# KiCad board MES Main Board.kicad_pcb (continued)
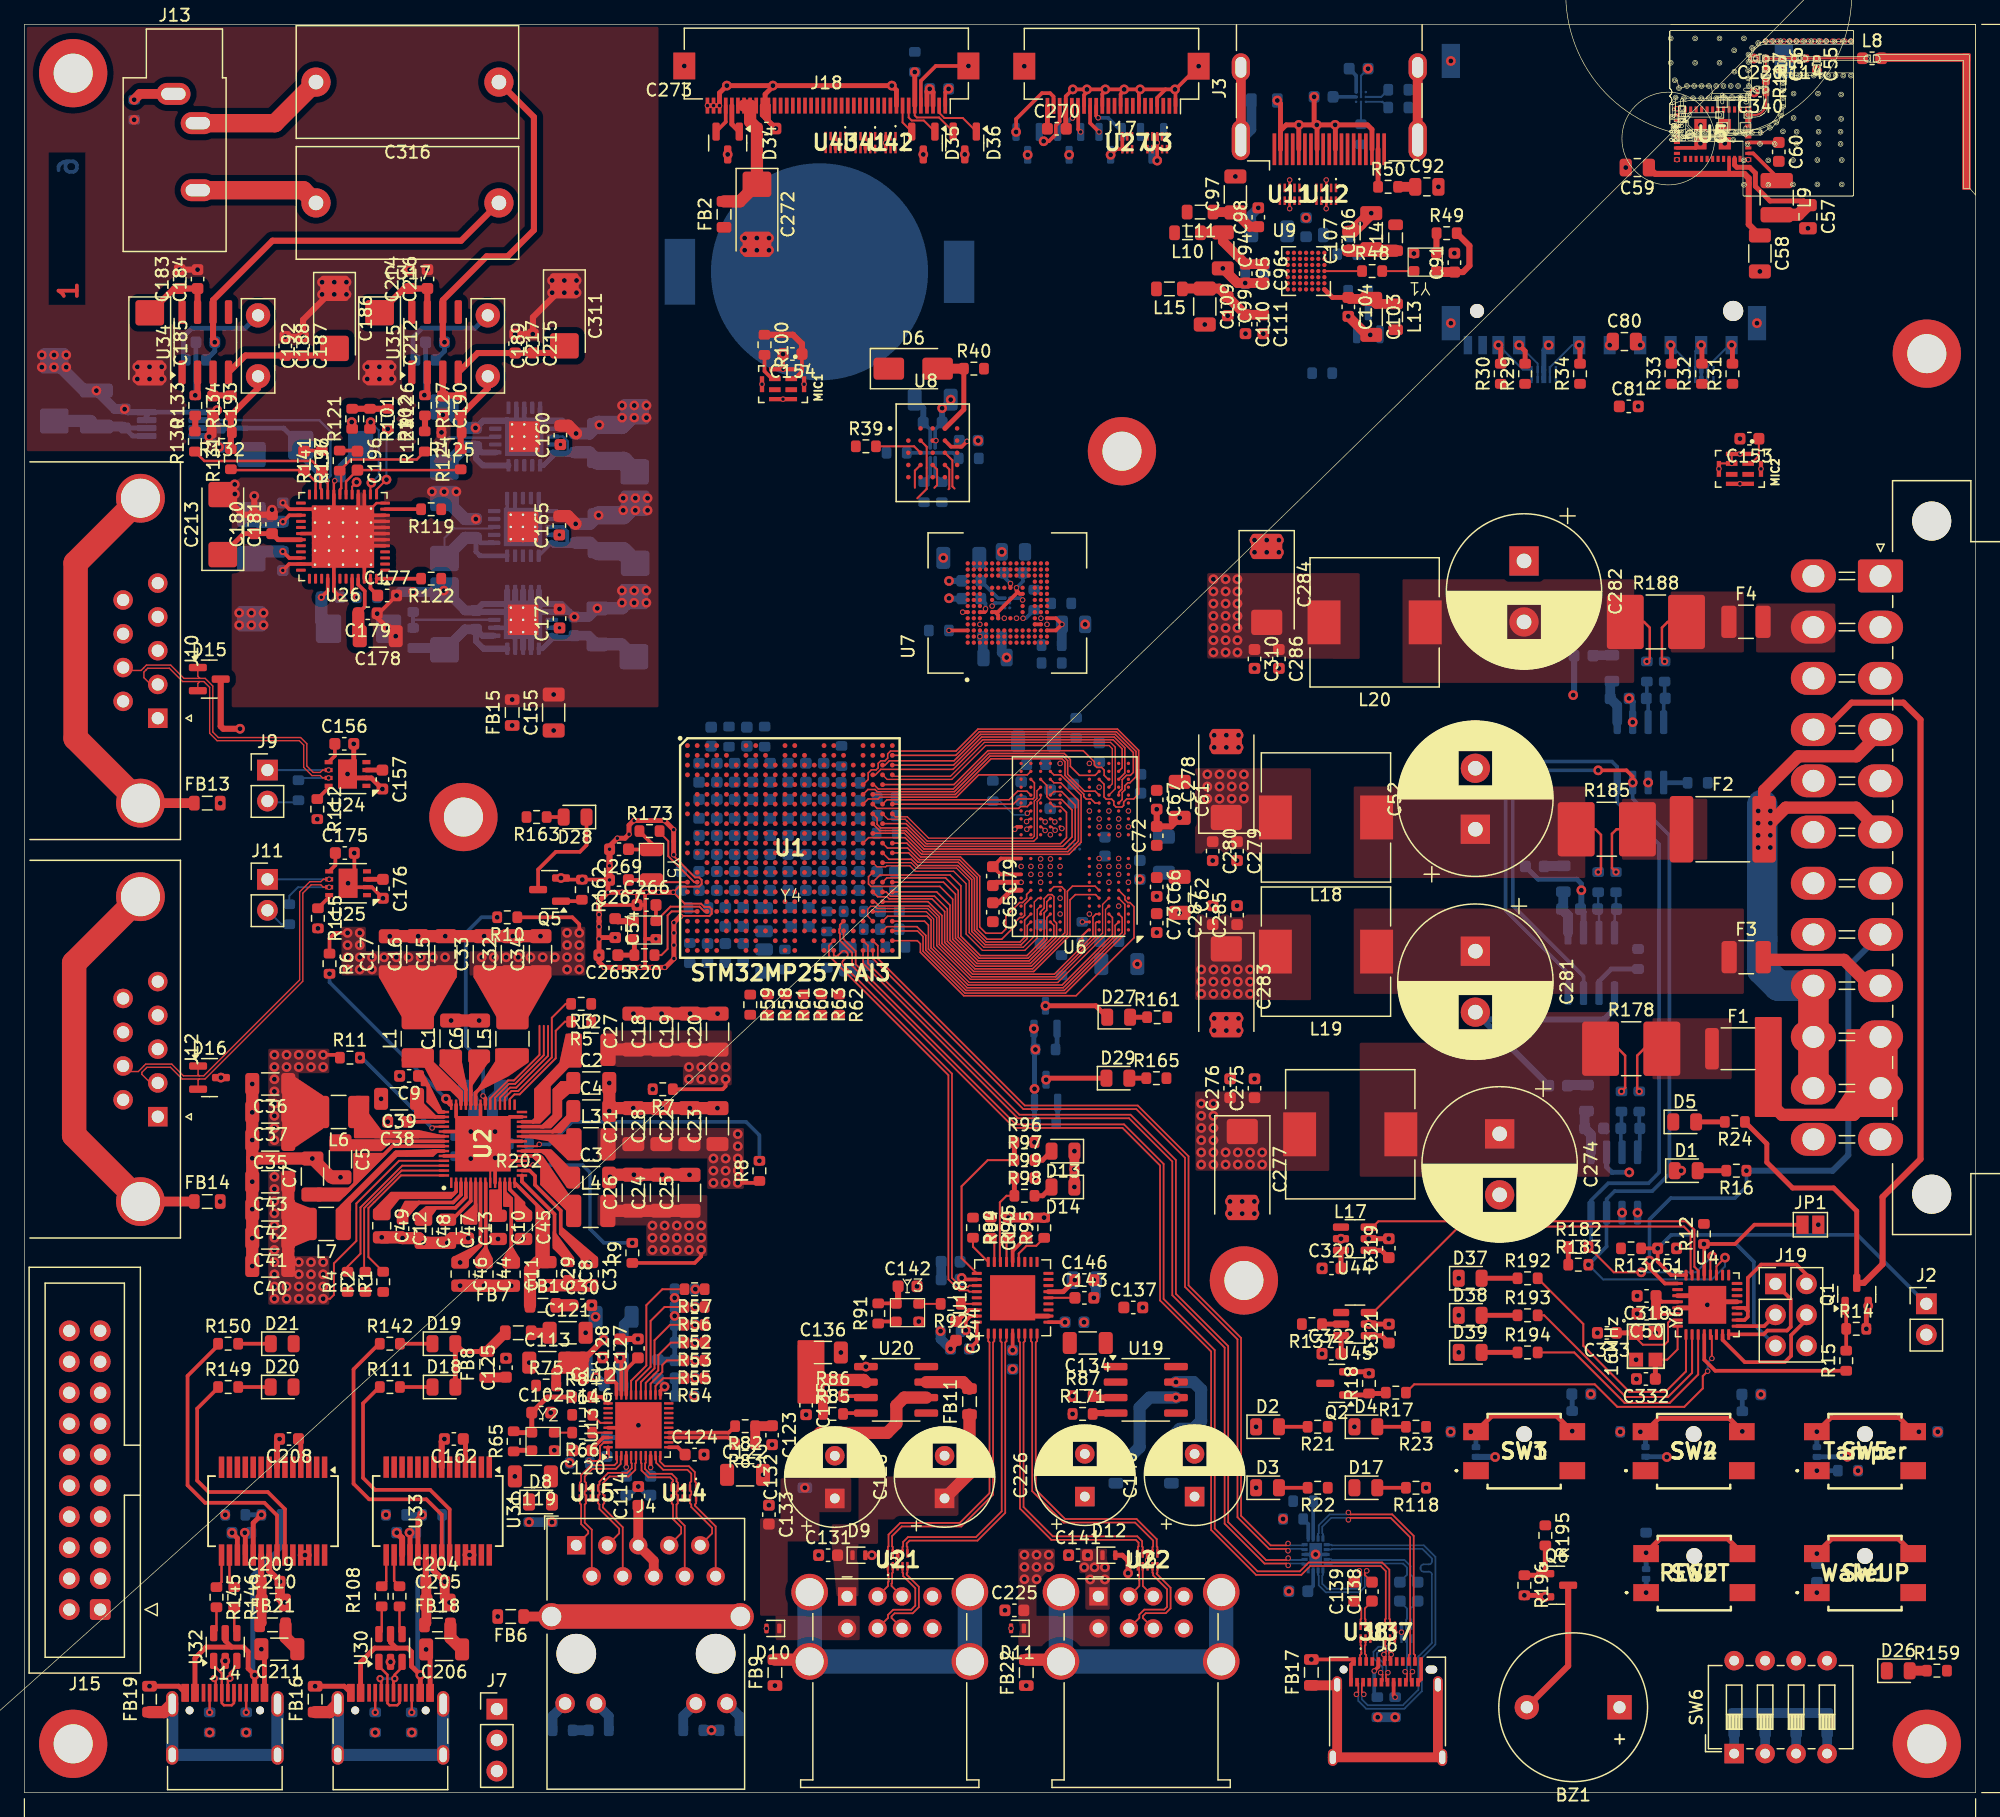
[diagram p0: board, top side]
## Routing (per net, layer and track width the routed paths; a pad name or vN(x,y) marks a point on that pad's centre or on a via; arc(x,y) is an arc through that point) (continued)
DDR_DQ13_A: length 23.5
  Top w0.127: 69.57,74.66 70.15,75.24 75.91,75.24 76.79,74.36 76.79,70.23 78.38,68.64 82.21,68.64 83.62,70.05 83.62,72.15 83.84,72.37 83.84,73.06 U6.E9
DDR_DQ13_B: length 23.2
  Top w0.127: 69.57,79.46 69.57,79.44 70.12,78.89 72.25,78.89 73.77,77.38 85.4,77.38 86.17,78.15 86.17,80.97 85.05,82.09 84.42,82.09 U6.V9
DDR_DQ14_A: length 21.4
  Top w0.127: U1.R21 70.72,75.01 75.54,75.01 76.58,73.97 76.58,70.14 78.29,68.42 82.3,68.42 83.84,69.96 83.84,71.76 U6.C9
DDR_DQ14_B: length 24.2
  Top w0.127: U6.Y9 84.42,82.81 84.98,82.81 86.43,81.36 86.43,78.02 85.57,77.16 73.67,77.16 72.16,78.67 69.58,78.67 69.57,78.66
DDR_DQ15_A: length 20.2
  Top w0.127: 71.17,74.66 75.36,74.66 76.35,73.67 76.35,70.06 78.2,68.21 82.39,68.21 84.42,70.23 84.42,71.11 U6.B9
DDR_DQ15_B: length 26.2
  Top w0.127: U6.AA9 84.42,83.46 84.98,83.46 86.65,81.79 86.65,77.93 85.66,76.94 73.58,76.94 72.22,78.31 69.22,78.31 U1.L19
DDR_DQMI0_A: length 26.2
  Top w0.127: U6.C3 89.22,71.76 89.22,70.35 85.1,66.23 77.38,66.23 74.35,69.26 74.35,71.55 74.03,71.87 70.78,71.87 U1.W21
DDR_DQMI0_B: length 21.1
  Top w0.127: U6.Y3 88.86,83.1 88.54,83.42 88.54,83.86 88.33,84.07 87.94,84.07 87.74,84.27 87.74,84.52 86.82,85.44 79,85.44 76.22,82.66 U1.E21
DDR_DQMI1_A: length 27.8
  Top w0.127: U6.C10 83.33,72.24 83.62,72.53 83.62,73.3 83.96,73.64 84.25,73.64 84.42,73.47 84.42,71.52 84.64,71.3 84.64,70.14 82.48,67.99 78.11,67.99 76.12,69.98 76.12,73.26 75.07,74.31 69.42,74.31 69.22,74.51 69.22,75.11 69.57,75.46
DDR_DQMI1_B: length 24.4
  Top w0.127: U6.Y10 83.84,82.59 83.84,81.68 84.08,81.44 85.05,81.44 85.91,80.58 85.91,78.37 85.14,77.6 73.86,77.6 72.34,79.11 70.21,79.11 69.92,79.4 69.92,79.91 69.57,80.26
DDR_DQS0_A_N: length 29
  Top w0.108: U6.E3 88.41,72.83 88.41,70.48 88.2,70.27 88.2,70.26 88.05,70.1 88.05,70.1 84.63,66.69 77.58,66.69 74.81,69.45 74.81,71.74 74.06,72.5 70.9,72.5 70.9,72.5 70.8,72.5 70.8,72.5 69.93,72.5 69.75,72.68 69.39,72.68 69.15,72.44 69.15,71.88 69.57,71.46
DDR_DQS0_A_P: length 26.9
  Top w0.108: U6.D3 88.65,72.42 88.65,70.34 84.74,66.43 77.47,66.43 74.56,69.35 74.56,71.64 73.95,72.24 70,72.24 69.59,72.24 69.57,72.26
DDR_DQS0_B_N: length 23.8
  Top w0.108: U6.V3 89.45,82.32 89.45,85.73 89.06,86.12 78.72,86.12 75.94,83.34 71.29,83.34 71.17,83.46
DDR_DQS0_B_P: length 23.6
  Top w0.108: U1.D21 70.74,83.09 76.05,83.09 78.83,85.87 88.95,85.87 89.21,85.61 89.21,82.73 U6.W3 88.98,82.45
DDR_DQS1_A_N: length 21.6
  Top w0.108: U1.N21 72.71,76.26 73.16,75.81 76.44,75.81 77.48,74.78 77.48,70.52 78.67,69.32 81.91,69.32 82.81,70.22 82.81,73.03 83.13,73.35 U6.E10
DDR_DQS1_A_P: length 22.1
  Top w0.108: U6.D10 83.05,72.42 83.05,70.08 82.04,69.07 78.56,69.07 77.22,70.41 77.22,74.53 76.2,75.55 73.05,75.55 72.6,76 70.71,76 70.63,75.92 69.91,75.92 69.57,76.26
DDR_DQS1_B_N: length 17.4
  Top w0.108: 70.39,80.28 U1.H21 70.81,79.82 72.23,79.82 72.38,79.67 72.39,79.67 74.03,78.02 82.77,78.02 83.05,78.3 83.05,81.26 83.33,81.54 U6.V10
  Top w0.127: 70.37,80.21 U1.H21
DDR_DQS1_B_P: length 16.8
  Top w0.108: 71.17,80.26 71.41,80.02 72.4,80.02 74.15,78.27 82.65,78.27 82.81,78.43 82.81,81.31 83.03,81.52 83.03,82.15 U6.W10
DDR_RESETN: length 4
  Top w0.127: v2(82.24,80.31) 82.43,80.5 U6.T11
  Bottom w0.1: 79.72,81.31 R25.2
  Bottom w0.127: R25.2 79.99,81.31 81.12,80.18 82.11,80.18 v2(82.24,80.31)
DISP_BLCTRL: length 2.5
  Top w0.3: D34.2 57.51,137 J18.37
DISP_LED_EN: length 2.4
  Top w0.4: 58.62,136.21 58.01,136.82 J18.36
eMMC_SDMMC2_D0: length 1.5
  Top w0.3: U7.A3 75.82,95.3 v2(75.81,95.3)
ETH1_MDC: length 5.7
  Top w0.3: U13.13 57.75,29.12 R83.2
ETH1_MDINT: length 1.5
  Top w0.3: U13.31 47.34,32.44 R84.2
ETH1_MDIO: length 5.7
  Top w0.3: R82.2 57.75,29.52 U13.14
ETH1_Rx_CLK: length 0.8
  Top w0.3: 55.78,41.28 v1(55.02,41.28)
ETH1_Rx_CTL: length 0.8
  Top w0.3: R56.1 v1(55.01,39.82)
ETH1_Rx_D0: length 0.8
  Top w0.3: R52.1 v1(55.01,38.36)
ETH1_Rx_D1: length 0.8
  Top w0.3: R53.1 v1(55.01,36.9)
ETH1_Rx_D2: length 0.8
  Top w0.3: R55.1 v1(55.01,35.44)
ETH1_Rx_D3: length 0.8
  Top w0.3: R54.1 v1(55.01,33.98)
FDCAN_SHDN1: length 1.5
  Top w0.3: U24.8 24.95,82.41 R112.1
FDCAN_SHDN2: length 1.5
  Top w0.3: U25.8 24.99,73.44 R115.1
HS_IND: length 7.8
  Top w0.164: U18.25 79.99,43.56 79.99,48.4 80.53,48.94 R98.1
  Top w0.4: R99.1 R98.1
HSE_IN: length 6.2
  Top w0.157: Y4.3 52.98,72.65 55.37,72.65 55.76,72.26 U1.V3
  Top w0.3: C266.2 51.78,72.78 Y4.3
HSE_OUT: length 6.6
  Top w0.157: R20.1 52.23,68.68 52.74,69.18 52.74,71.93 53.07,72.26 55.17,72.26
I2C3_SCL: length 7.1
  Top w0.164: U26.14 28.38,107.34 v1(28.45,107.41) ; v1(28.39,112.38) 28.39,111.88 R101.2
  Bottom w0.164: v1(28.39,112.38) 29.06,111.71 29.06,108.02 v1(28.45,107.41)
I2C3_SDA: length 5.8
  Top w0.164: U26.13 28.88,106.86 v1(29.69,107.67)
  Bottom w0.164: v1(29.69,107.67) 29.69,111.72 v1(29.8,111.83)
I2C4_SCL: length 4.6
  Top w0.3: J17.20 84.89,137.04 84.58,136.72 84.58,135.99 84.01,135.42 v1(83.58,135.42)
  Bottom w0.3: v1(83.58,135.42) 83.22,135.78 D33.2
I2C4_SDA: length 5.9
  Top w0.3: J17.21 84.39,139.08 84.11,139.36 83.44,139.36 81.32,137.24 v1(81.32,136.18)
I2C5_SCL: length 3.6
  Top w0.157: D35.1 73.75,137.12 72.76,137.12 72.51,137.37 J18.7
I2C5_SDA: length 2.4
  Top w0.157: D35.2 72.01,136.96 J18.8
I2C7_SCL: length 8.4
  Top w0.157: 42.59,62.88 42.59,60.47 40.24,58.12 39.73,58.12 38.6,56.99 U2.33
I2C7_SDA: length 8.4
  Top w0.157: 42.24,62.88 42.24,60.5 40.14,58.4 39.66,58.4 38.2,56.94 38.2,56.41
INA219_SCL: length 87.9
  Top w0.164: v1(128.25,44.75) 130.33,42.67 v1(132.58,42.67) ; U4.28 138.25,43.84 v1(138.39,43.98)
  Bottom w0.164: v1(138.39,43.98) 137.08,42.67 v1(132.58,42.67)
  Bottom w0.3: v1(128.25,44.75) 128.47,44.97 U46.4 128.47,48.57 129.87,49.97 133.17,49.97 134.04,50.84 134.04,77.77 130.61,81.2 U48.4 130.61,84.12 130.18,84.55 122.87,84.55 121.46,83.14 121.46,72.34 126.58,67.22 U47.4
INA219_SDA: length 90.6
  Top w0.164: U4.27 138.75,43.17 v1(139.45,43.87)
  Top w0.3: v1(129.05,83.83) 131.37,83.83 131.88,83.32 v1(131.88,82.83)
  Bottom w0.164: v1(128.25,43.29) 129.46,42.08 138.38,42.08 139.45,43.15 v1(139.45,43.87)
  Bottom w0.3: v1(129.05,83.83) 123.13,83.83 122.05,82.75 122.05,72.74 127.85,66.94 U47.3 ; v1(128.25,43.29) 129.74,44.78 U46.3 129.74,48.66 130.41,49.33 133.49,49.33 134.89,50.73 134.89,78.51 133.52,79.88 ; 133.52,79.88 133.62,79.78 ; 133.52,79.88 131.88,81.52 v1(131.88,82.83)
LED2: length 1.8
  Bottom w0.4: Q3.1 84.68,61.06 R160.2
LED3: length 1.8
  Bottom w0.4: Q4.1 84.73,55 R164.2
LED4: length 1.8
  Top w0.3: Q5.1 45.59,73.1 R162.2
MPU_WAKEUP: length 8.4
  Top w0.157: U2.32 39,56.99 39.82,57.81 40.33,57.81 42.94,60.42 42.94,62.87
NRST: length 10.2
  Top w0.4: v1(132.98,19.67) 134.12,20.81 139.67,20.81 SW2.2
  Bottom w0.4: D22.1 v1(132.98,19.67)
OCP_LED: length 19.4
  Top w0.164: U4.10 136.75,34.42 134.77,32.44 131.32,32.44 124.62,39.14 R193.2
OSC32_IN: length 4.4
  Top w0.157: U1.R1 51.93,74.66
  Top w0.3: 51.93,74.66 51.85,74.74 ; C267.1 Y5.2
OSC32_OUT: length 5.6
  Top w0.157: 55.17,74.66 54.93,74.66 52.8,76.79 52.8,78.03 52.09,78.75
  Top w0.3: 52.09,78.75 R173.2
OVP_LED: length 19.1
  Top w0.164: U4.11 137.25,34.29 134.92,31.96 131.22,31.96 127.09,36.1 R194.2
PMIC_LED: length 20.8
  Top w0.164: U4.9 136.25,34.54 134.57,32.86 131.61,32.86 127.83,36.64 127.83,38.43 124.09,42.17 R192.2
PONKEYN: length 9.7
  Top w0.4: SW1.2 153.67,20.81 148.19,20.81 v1(146.98,19.6)
  Bottom w0.4: v1(146.98,19.6) 146.99,19.59 C14.2
Power_On/Off: length 14.1
  Top w0.3: R15.1 138.65,34.59 137.75,35.5 U4.12
PS_ON: length 77.9
  Top w0.4: R24.1 142.88,53.2 142.88,51.69 144.99,49.58 148.36,49.58 150.25,47.69 Q1.3
  Top w0.5: J1.16 147.62,87.17 149.83,89.38 154.08,89.38 155.48,87.98 155.48,51.95 152.37,48.84 152.37,43.33 150.84,41.8 Q1.3
PSU_SW: length 30.1
  Top w0.3: R13.1 v1(133.93,44.63) 133.93,43.54 135.03,42.44 136.25,42.44 U4.32
  Bottom w0.3: v1(133.93,44.63) 135.03,45.73 150.31,45.73 J2.1
PWR_OK: length 45.3
  Top w0.3: U4.1 134.52,41.75 133.26,43.01 v1(133.26,43.63)
  Bottom w0.3: v1(141.21,51) 141.21,49.7 140.26,48.75 135,48.75 133.26,47.01 v1(133.26,43.63)
  Bottom w0.5: J1.8 149.56,67.73 149.56,52.28 148.28,51 v1(141.21,51)
QSPI1_CLK: length 5.3
  Top w0.164: 73.22,106.14 73.99,106.91 73.99,110.36 U8.B2
QSPI1_CS: length 3.9
  Top w0.164: R39.2 72.95,110.4 U8.C2
QSPI1_IO0: length 2.1
  Top w0.164: U8.D3 74.84,108.51 74.84,107.22 74.62,107
QSPI1_IO1: length 2.1
  Top w0.164: U8.D2 73.02,108.41 73.02,107.01
QSPI1_IO2: length 3.3
  Top w0.164: 76.27,106.94 76.1,107.11 76.1,109.26 U8.C4
QSPI1_IO3: length 2.2
  Top w0.164: 75.78,106.88 75.84,106.94 75.84,108.51 U8.D4
SD_SDMMC1_CMD: length 5
  Top w0.4: v1(134.99,118.7) 135.06,118.63 R33.2
  Bottom w0.157: v1(134.99,118.7) 136.51,117.18 U17.1 U17.10
SD_SDMMC1_D0: length 5.2
  Top w0.4: v1(122.57,118.7) 123.06,118.21 R29.2
  Bottom w0.157: U16.9 U16.2 124.09,117.18 v1(122.57,118.7)
SD_SDMMC1_D1: length 6
  Top w0.4: R30.2 121.06,118.51 v1(120.87,118.7)
  Bottom w0.157: U16.10 U16.1 122.88,116.69 v1(120.87,118.7)
SD_SDMMC1_D2: length 5.3
  Top w0.4: v1(139.99,118.7) 140.06,118.63 R31.2
  Bottom w0.157: v1(139.99,118.7) 139.79,118.7 138.01,116.92 U17.4 U17.7
SD_SDMMC1_D3: length 4.6
  Top w0.4: R32.2 137.56,118.63 v1(137.49,118.7)
  Bottom w0.157: v1(137.49,118.7) 137.01,118.22 U17.2 U17.9
STPMIC25_WakeUP: length 30.8
  Top w0.164: v2(138.03,34.56) 137.63,34.16 137.63,33.15 136.11,31.63 130.62,31.63 128.77,33.48 113.96,33.48 R17.1 ; v2(138.37,35.6) 138.37,35.61 138.37,37.44 U4.13
  Bottom w0.164: v2(138.03,34.56) 138.03,35.26 v2(138.37,35.6)
SUSP_IND: length 14.3
  Top w0.164: U18.28 76.85,43.83 76.85,49.72 78.99,51.86 R97.1
  Top w0.4: R96.1 R97.1
TX10_N: length 8.1
  Top w0.141: v2(110.07,18.19) 109.92,18.03 109.92,17.84 C138.2
  Bottom w0.141: U40.16 106.08,17.85 106.13,17.8 106.13,17 106.71,16.42 109.47,16.42 109.92,16.87 109.92,18.03 v2(110.07,18.19)
TX10_P: length 7.1
  Top w0.141: v2(109.47,18.19) 109.62,18.03 109.62,17.84 C139.2
  Bottom w0.141: v2(109.47,18.19) 109.62,18.03 109.62,16.99 109.35,16.72 106.83,16.72 106.43,17.12 106.43,17.8 106.48,17.85 U40.15
TX20_N: length 8.2
  Bottom w0.141: U40.14 107.16,18.73 107.21,18.78 113.05,18.78 113.37,18.46 113.37,17.87 112.79,17.29 C238.2
TX20_P: length 8.7
  Bottom w0.141: C239.2 114.25,17.29 113.67,17.87 113.67,18.58 113.17,19.08 107.21,19.08 107.16,19.13 U40.13
USB1CON_N: length 2.9
  Top w0.141: J5.2 70.82,16.94 70.82,17.25 70.86,17.29 70.86,17.99 70.81,18.04 U21.1
USB1CON_P: length 2.9
  Top w0.141: U21.2 71.2,18.04 71.15,17.99 71.15,17.18 71.11,17.14 71.11,16.94 J5.3
USB2CON_N: length 7.7
  Top w0.141: U21.4 72,18.04 72.06,17.99 72.06,17.75 73.05,16.76 73.05,15.33 72.72,15 71.24,15 70.82,14.57 70.82,14.32 J5.6
USB2CON_P: length 7.7
  Top w0.141: J5.7 71.11,14.32 71.11,14.45 71.36,14.7 72.84,14.7 73.35,15.21 73.35,16.88 72.35,17.88 72.35,17.99 72.41,18.04 U21.5
USB3.0C_RX1_N: length 28.6
  Top w0.141: v2(109.83,8.06) 109.67,8.21 109.67,8.95 J6.B10
  Bottom w0.141: U40.11 107.16,19.93 107.21,19.98 114.64,19.98 115.41,19.21 115.41,18.96 arc(115.34,18.79) 115.17,18.72 114.73,18.72 arc(114.56,18.65) 114.49,18.48 114.49,18.36 arc(114.56,18.19) 114.73,18.12 115.17,18.12 arc(115.34,18.05) 115.41,17.88 115.41,12.27 114.3,11.16 114.3,8.43 113.04,7.17 110.15,7.17 109.67,7.64 109.67,7.91 v2(109.83,8.06)
USB3.0C_RX1_P: length 28.6
  Top w0.141: v2(109.23,8.06) 109.38,8.21 109.38,8.95 J6.B11
  Bottom w0.141: U40.10 107.16,20.33 107.21,20.28 114.76,20.28 115.71,19.33 115.71,12.15 114.6,11.04 114.6,8.31 113.16,6.87 110.03,6.87 109.38,7.52 109.38,7.91 v2(109.23,8.06)
USB3.0C_RX2_N: length 19.5
  Top w0.141: v2(108.57,22.37) 108.72,22.52 112.04,22.52 113.63,20.93 113.63,11.38 113.53,11.28 J6.A10
  Bottom w0.141: U40.9 106.48,21.21 106.43,21.26 106.43,21.8 107.15,22.52 108.42,22.52 v2(108.57,22.37)
USB3.0C_RX2_P: length 20.5
  Top w0.141: J6.A11 114.03,11.28 113.92,11.38 113.92,21.05 112.16,22.82 108.72,22.82 v2(108.57,22.97)
  Bottom w0.141: U40.8 106.08,21.21 106.13,21.26 106.13,21.92 107.03,22.82 108.42,22.82 v2(108.57,22.97)
USB3.0C_TX1_N: length 1.9
  Top w0.141: U38.2 109.97,12.1 109.92,12.05 109.92,11.59 109.92,11.58 109.92,11.38 110.03,11.28 J6.A3
USB3.0C_TX1_P: length 1.9
  Top w0.141: J6.A2 109.53,11.28 109.63,11.38 109.63,11.47 109.62,11.48 109.62,12.05 109.57,12.1 U38.1
USB3.0C_TX2_N: length 3.7
  Top w0.141: 113.37,9.13 113.37,9.76 v2(113.22,9.92)
  Bottom w0.141: v2(113.22,9.92) 113.37,10.07 113.37,12.58 U39.2
USB3.0C_TX2_P: length 3.7
  Top w0.141: v2(113.82,9.92) 113.67,9.76 113.67,9.13
  Bottom w0.141: U39.1 113.67,12.58 113.67,10.07 v2(113.82,9.92)
USB3.0RX_N: length 71
  Top w0.141: v2(103.62,19.83) 103.47,19.98 102.07,19.98 99.47,22.58 99.47,37.17 95.17,41.48 95.17,52.06 91.17,56.05 81.91,56.05 69.57,68.39 69.57,69.06
  Bottom w0.141: U40.4 104.92,19.98 103.77,19.98 v2(103.62,19.83)
USB3.0RX_P: length 71.5
  Top w0.141: v2(103.62,20.43) 103.47,20.28 102.19,20.28 99.77,22.7 99.77,37.29 95.46,41.6 95.46,52.18 91.29,56.35 82.03,56.35 69.98,68.4 69.98,69.45 69.57,69.86
  Bottom w0.141: U40.5 104.92,20.28 103.77,20.28 v2(103.62,20.43)
USB3.0TX_N: length 72.7
  Top w0.141: v2(103.63,18.63) 103.48,18.78 101.69,18.78 98.42,22.05 98.42,36.49 94.13,40.78 94.13,51.75 90.58,55.3 81.46,55.3 68.77,67.99 U1.AB19
  Bottom w0.141: U40.1 104.92,18.78 103.78,18.78 v2(103.63,18.63)
USB3.0TX_P: length 73.1
  Top w0.141: U1.AA19 69.17,69.46 69.17,68.01 81.58,55.59 90.7,55.59 94.42,51.87 94.42,40.9 98.71,36.61 98.71,22.17 101.81,19.08 103.48,19.08 v2(103.63,19.23)
  Bottom w0.141: v2(103.63,19.23) 103.78,19.08 104.92,19.08 U40.2
USB3CON_N: length 2.9
  Top w0.141: J16.2 91.42,16.94 91.42,17.4 91.41,17.41 91.41,18.45 U22.1
USB3CON_P: length 2.8
  Top w0.141: J16.3 91.72,16.94 91.72,17.51 91.7,17.52 U22.2
USB4CON_N: length 7.8
  Top w0.141: J16.6 91.42,14.32 91.42,14.6 91.83,15.01 93.47,15.01 93.69,15.23 93.69,16.68 92.56,17.81 92.56,17.98 92.5,18.03 U22.4
USB4CON_P: length 7.8
  Top w0.141: U22.5 92.91,18.03 92.85,17.98 92.85,17.94 93.99,16.8 93.99,15.11 93.59,14.71 91.95,14.71 91.72,14.48 91.72,14.32 J16.7
USBD_N: length 7.5
  Top w0.141: v2(112.08,11.33) 111.92,11.17 111.92,10.86 J6.A7 112.03,11.28 111.92,11.38 111.92,11.49 111.93,11.49 111.93,12.05 111.98,12.1 U37.2 ; J6.B7 111.38,9.16 111.38,9.29 111.36,9.31 111.36,9.69 v2(111.21,9.84)
  Bottom w0.141: v2(111.21,9.84) 111.36,9.99 111.36,10.29 110.63,11.03 110.63,11.55 111.04,11.97 111.44,11.97 v2(112.08,11.33)
USBD_P: length 6.4
  Top w0.141: v2(111.48,11.33) 111.63,11.17 111.63,10.86 J6.A6 111.53,11.28 111.63,11.38 111.63,11.6 111.63,11.6 111.63,12.05 111.58,12.1 U37.1 ; v2(111.81,9.84) 111.66,9.69 111.66,9.42 111.67,9.4 111.67,9.16 J6.B6
  Bottom w0.141: v2(111.81,9.84) 111.66,9.99 111.66,10.41 110.92,11.15 110.92,11.43 111.16,11.67 111.32,11.67 111.48,11.52 v2(111.48,11.33)
USBDR_N: length 87.7
  Top w0.141: U37.5 111.98,14.21 111.93,14.26 111.93,18.28 111.33,18.87 105.32,18.87 104.59,18.15 101.12,18.15 97.6,21.66 97.6,36.29 93.42,40.48 93.42,51.55 90.17,54.8 81.3,54.8 68.17,67.93 68.17,69 67.17,70 67.17,70.66
USBDR_P: length 88.7
  Top w0.141: 67.17,71.46 66.88,71.17 66.88,70.88 66.81,70.81 66.81,70.51 66.88,70.44 66.88,69.88 67.87,68.88 67.87,67.81 81.18,54.5 90.05,54.5 93.12,51.43 93.12,40.36 97.31,36.17 97.31,21.54 101,17.85 104.71,17.85 105.44,18.58 111.21,18.58 111.63,18.16 111.63,14.26 111.58,14.21 U37.6
USBH_N: length 34.7
  Top w0.141: U1.AB16 66.37,68.65 arc(66.54,68.58) 66.71,68.65 67.03,68.97 arc(67.2,69.04) 67.37,68.97 67.46,68.88 arc(67.53,68.71) 67.46,68.54 67.13,68.22 arc(67.06,68.05) 67.13,67.88 76.06,58.96 76.06,42.21 76.79,41.47 77.37,41.47 77.48,41.58 U18.30
USBH_P: length 34.7
  Top w0.141: U1.AA16 65.97,69.46 65.97,68.63 75.77,58.84 75.77,42.09 76.67,41.18 77.37,41.18 77.48,41.08 U18.31
USBSW_OE: length 3.1
  Bottom w0.3: U40.7 105.68,23.89 R88.2
USBSW_S: length 1.8
  Bottom w0.3: U40.6 105.28,22.02 R166.1
USBVcc: length 26.4
  Top w0.4: 30.5,11.85 30.02,12.33 U30.5 ; 30.5,11.85 31.44,11.85 31.74,11.55 31.74,10.37 v1(32.47,9.64) J8.A9 ; 30.5,11.85 28.72,11.85 27.57,10.7 J8.A4
  Bottom w0.4: R109.1 34.26,19.28 32.25,17.27 32.25,9.86 v1(32.47,9.64)
USBVcc2: length 26.8
  Top w0.4: J14.A9 v1(18.89,9.64) 18.35,10.18 18.35,11.55 17.97,11.93 16.99,11.93 ; 16.99,11.93 16.47,12.45 16.47,13.08 ; 16.99,11.93 14.89,11.93 13.99,11.03 J14.A4
  Bottom w0.4: v1(18.89,9.64) 18.74,9.79 18.74,17.81 21.08,20.15 R147.1
Net-(BZ1--): length 11.4
  Top w0.5: Q6.3 126.59,10.39 BZ1.2
Net-(C52-Pad1): length 5.4
  Top w0.2: v3(129.05,75.49) 129.28,75.72 129.28,78.54 128.82,79 R185.1
Net-(C55-Pad1): length 4.6
  Top w0.157: L8.1 146.99,142.22 C55.1 R114.1
Net-(C94-Pad1): length 6.7
  Top w0.8: L10.1 96.47,127.94 C94.1 98.27,127.22 C95.1 C96.1
Net-(C109-Pad1): length 7.5
  Top w0.8: C111.1 C110.1 98.67,122.65 C99.1 97.99,123.34 C109.1 94.98,123.34 L15.1
Net-(C189-Pad1): length 10.1
  Top w0.5: R123.2 32.85,111.65 R126.1
  Bottom w0.4: C189.1 36.95,120.09 32.61,120.09 31.86,119.34 31.86,117.69 R128.1
Net-(C189-Pad2): length 7
  Top w0.5: R124.2 35.77,111.46 R125.1 35.77,111.62 R127.1 38,115.15 C189.2
Net-(C191-Pad2): length 28.4
  Top w0.5: C316.1 41.78,137.4 41.78,128.13 39.63,125.98 37.91,125.98 34.31,122.38 U35.6 34.31,119.07 v1(34.45,118.93)
  Bottom w0.4: R128.2 34.45,118.21 v1(34.45,118.93)
Net-(C192-Pad1): length 10.2
  Top w0.5: R133.1 14.01,111.65 R130.2
  Bottom w0.4: 13.24,117.55 R135.1 13.24,117.54 13.04,117.74 13.04,119.4 13.72,120.08 18.1,120.08 C192.1
Net-(C192-Pad2): length 6.9
  Top w0.5: R131.2 R134.1 19.16,115.16 C192.2
Net-(C194-Pad2): length 32
  Top w0.5: v1(15.61,118.93) 15.47,119.07 U34.6 15.47,122.38 20.35,127.26 35.81,127.26 C317.1
  Bottom w0.4: R135.2 15.61,118.2 v1(15.61,118.93)
Net-(C196-Pad1): length 1.5
  Top w0.3: C196.1 27.26,110.05 R136.2
Net-(C197-Pad1): length 1.5
  Top w0.3: R141.2 22.98,110.05 C197.1
Net-(C220-Pad1): length 3.2
  Top w0.157: R114.2 C56.1 144.14,142.2 142.8,142.2 R117.1
Net-(C269-Pad1): length 3.8
  Top w0.3: C269.1 49.56,77.34 Y5.1 51.43,77.85 50.44,78.84 R173.1
Net-(C274-Pad1): length 5.3
  Top w0.2: v3(130.96,57.5) 131.26,57.8 131.26,60.44 130.7,61 R178.1
Net-(C282-Pad2): length 5.1
  Top w0.2: R188.1 132.81,96 133.28,95.53 133.28,93 v3(133.04,92.76)
Net-(C316-Pad2): length 11.1
  Top w1.5: C316.2 20.54,136.9 J13.T
Net-(C317-Pad2): length 10.1
  Top w1.5: J13.R 22.87,131.4 C317.2
Net-(D1-A): length 2.3
  Top w0.4: R16.2 D1.2
Net-(D2-A): length 2.3
  Top w0.3: D2.2 R21.2
Net-(D3-A): length 2.3
  Top w0.3: R22.2 D3.2
Net-(D4-A): length 2.3
  Top w0.3: D4.2 R23.2
Net-(D5-A): length 2.3
  Top w0.4: R24.2 D5.2
Net-(D6-A): length 7.7
  Top w0.4: R40.1 77.03,113.42 U8.A4
  Top w0.8: R40.1 D6.2
Net-(D7-K): length 1.7
  Bottom w0.5: R47.2 D7.3
Net-(D9-K): length 7.7
  Top w1: C126.1 77.5,26.17 FB11.1
Net-(D10-K):
  vias: v1(64,25)
Net-(D11-K):
  vias: v1(82,19.5) v1(82,18.5) v1(82,17.5) v1(83,19.5) v1(83,18.5) v1(83,17.5) v1(84,19.5) v1(84,18.5)
Net-(D12-K):
  vias: v1(86.91,18.48) v1(87.2,19.46) v1(87.4,17.48) v1(87.75,18.48) v1(88.6,18.48) v1(88.6,17.48)
Net-(D13-A): length 1.7
  Top w0.4: R97.2 83.49,51.86 D13.2
Net-(D14-A): length 1.7
  Top w0.4: D14.2 83.5,48.94 R98.2
Net-(D17-A): length 2.3
  Top w0.3: D17.2 R118.2
Net-(D18-K): length 2.7
  Top w0.3: D18.1 R111.2
Net-(D19-K): length 2.7